# Altium PCB PCB2.PcbDoc (part 16 of 16)
Units mil, origin at the board's own origin, x right, y up, seen from the top; angles counter-clockwise.
Board outline 9200.79 x 4350.6 mil, 4 copper layers (Top Layer, Layer 1, Layer 2, Bottom Layer), stack 23.756 mil thick; 1249 components, 1355 nets, 4549 pads, 1316 vias.
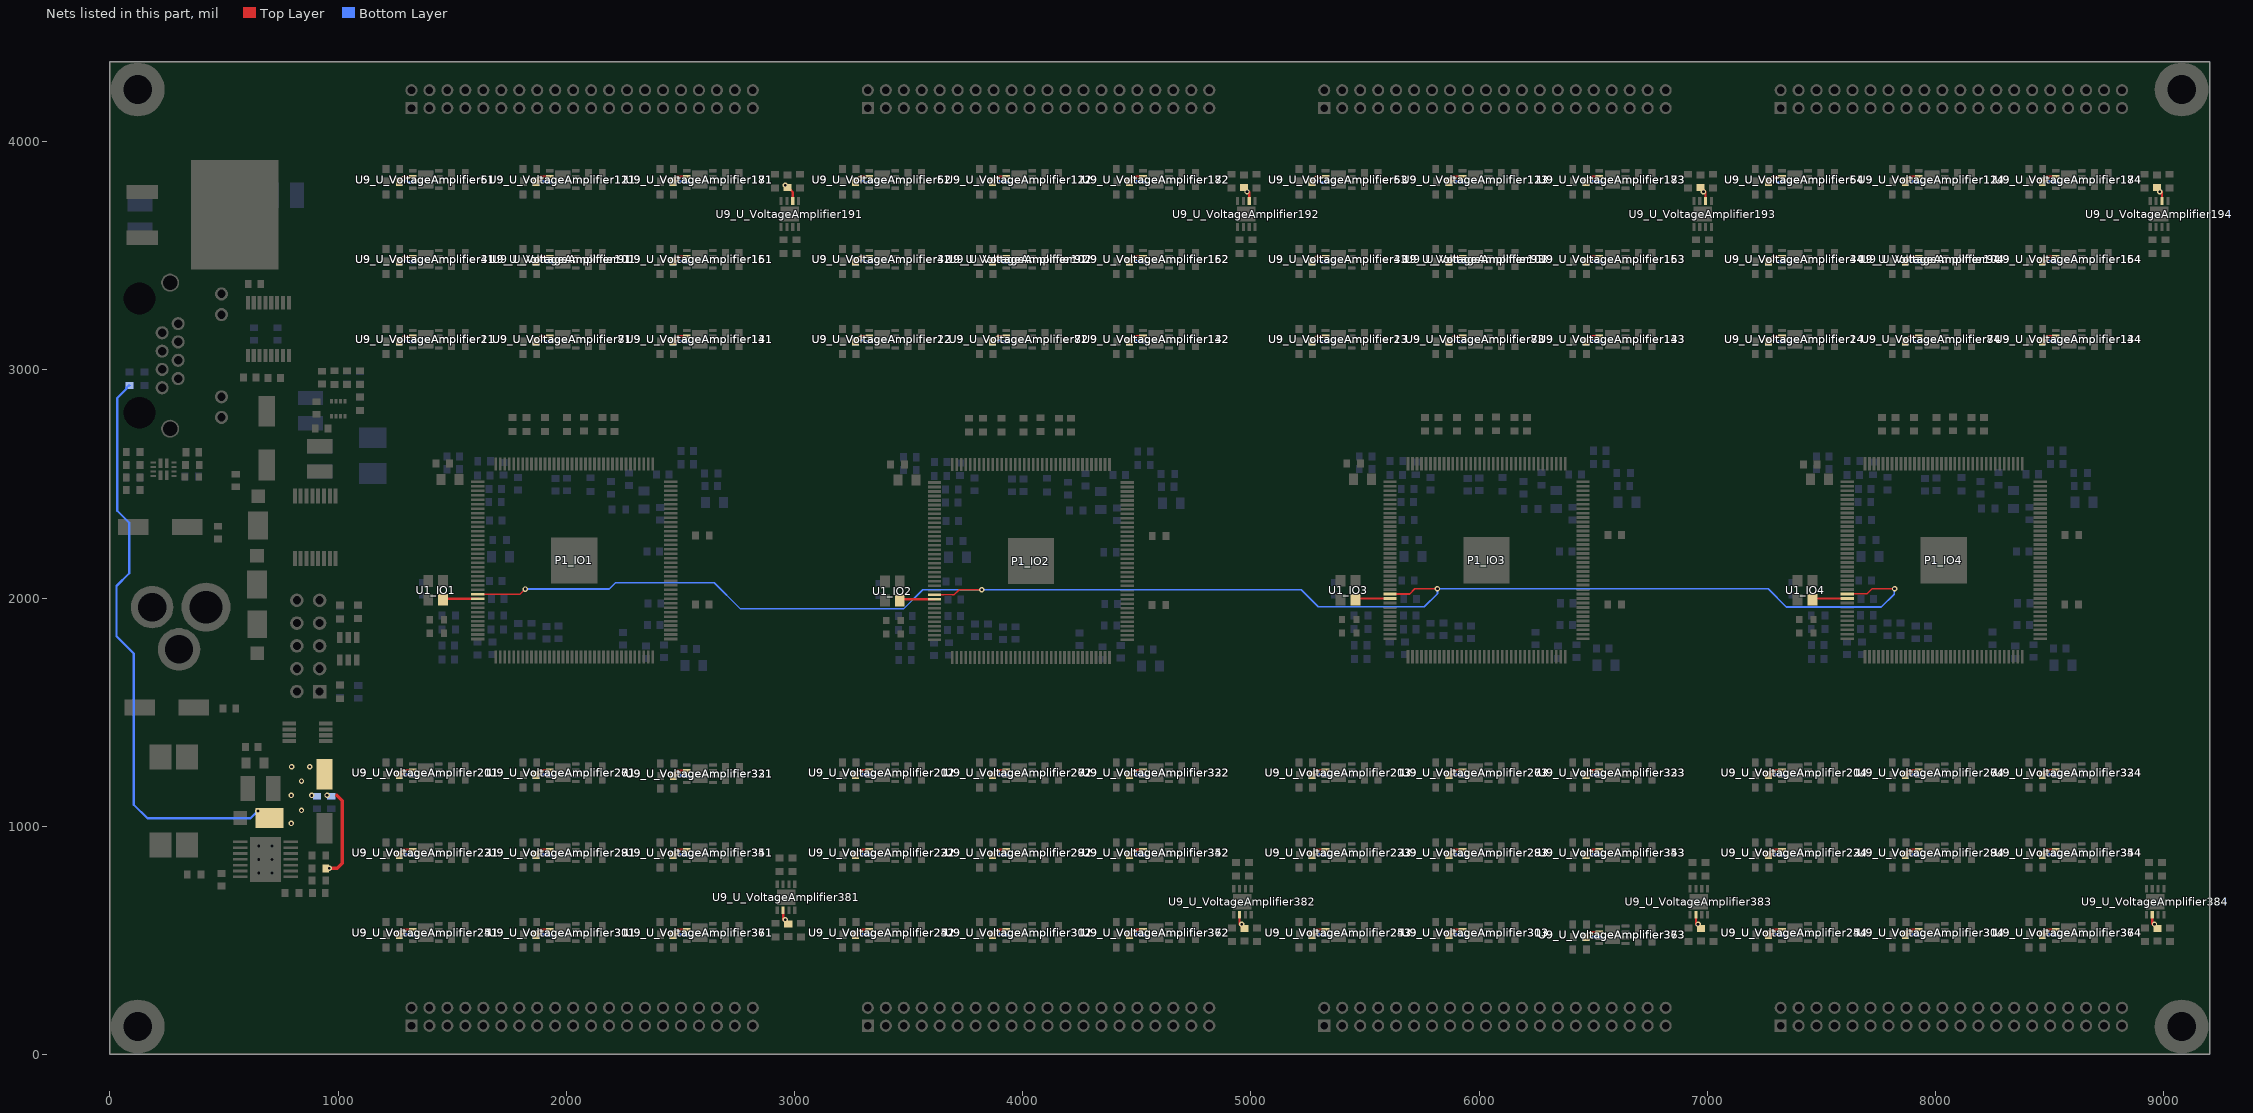
[diagram p18: the nets of this part, all layers, seen from the top]

## Via types
v1: diameter 24, hole 12, Top Layer to Bottom Layer, 1316 vias

## Nets (pads, with @x,y where several pads share a name; then routed paths per layer and width w, separated by ;. In a path a pad name is that pad's centre, name@x,y a point inside that pad or via, vN(x,y) a via of type N, cw(c..) or ccw(c..) an arc to the next point about the centre after c; other vN are vias at no path point) (continued)
VCC_OUT: (continued)
  Bottom Layer w10: R46.1@86.26,2930.89 83.76,2930.89 73.76,2920.89 73.76,2918.39 32.19,2876.82 32.19,2382.46 84.46,2330.19 84.46,2108.09 29.06,2052.69 29.06,1832.07 104.86,1756.27 104.86,1094.39 164.66,1034.59 616.06,1034.59 v1(648.56,1067.09) ; v1(1286.09,1237.18) 1289.88,1237.18 1303.99,1223.07 1325.2,1223.07 U9_U_VoltageAmplifier211.6@1327.09,1221.18 ; v1(1286.09,3137.18) 1289.88,3137.18 1303.99,3123.07 1325.2,3123.07 U9_U_VoltageAmplifier21.6@1327.09,3121.18 ; v1(1286.09,3487.18) 1289.88,3487.18 1303.99,3473.07 1325.2,3473.07 U9_U_VoltageAmplifier41.6@1327.09,3471.18 ; v1(1286.09,3837.18) 1289.88,3837.18 1303.99,3823.07 1325.2,3823.07 U9_U_VoltageAmplifier61.6@1327.09,3821.18 ; v1(1886.09,3137.18) 1889.88,3137.18 1903.99,3123.07 1925.2,3123.07 U9_U_VoltageAmplifier81.6@1927.09,3121.18 ; v1(1886.09,3487.18) 1889.88,3487.18 1903.99,3473.07 1925.2,3473.07 U9_U_VoltageAmplifier101.6@1927.09,3471.18 ; v1(1886.09,3837.18) 1889.88,3837.18 1903.99,3823.07 1925.2,3823.07 U9_U_VoltageAmplifier121.6@1927.09,3821.18 ; v1(2486.09,3137.18) 2489.88,3137.18 2503.99,3123.07 2525.2,3123.07 U9_U_VoltageAmplifier141.6@2527.09,3121.18 ; v1(2486.09,3487.18) 2489.88,3487.18 2503.99,3473.07 2525.2,3473.07 U9_U_VoltageAmplifier161.6@2527.09,3471.18 ; v1(2486.09,3837.18) 2489.88,3837.18 2503.99,3823.07 2525.2,3823.07 U9_U_VoltageAmplifier181.6@2527.09,3821.18 ; v1(2959.67,590.42) v1@2959.67,594.21 ; v1(8959.67,570.42) v1@8959.67,574.21 ; v1@8982.85,3776.98 v1(8982.85,3780.76) ; v1@1289.88,537.18 1303.99,523.07 ; v1@1289.88,537.18 v1(1286.09,537.18) v1@1289.88,537.18 ; v1@1289.88,537.18 1303.99,523.07 ; v1@1289.88,887.18 v1(1286.09,887.18) v1@1289.88,887.18 ; v1@1289.88,887.18 1303.99,873.07 ; v1@1289.88,887.18 1303.99,873.07 ; 1303.99,523.07 U9_U_VoltageAmplifier251.6@1325.2,523.07 ; 1303.99,523.07 U9_U_VoltageAmplifier251.6@1325.2,523.07 ; 1303.99,873.07 U9_U_VoltageAmplifier231.6@1325.2,873.07 ; 1303.99,873.07 U9_U_VoltageAmplifier231.6@1325.2,873.07 ; U9_U_VoltageAmplifier251.6@1325.2,523.07 U9_U_VoltageAmplifier251.6@1327.09,521.18 U9_U_VoltageAmplifier251.6@1325.2,523.07 ; U9_U_VoltageAmplifier231.6@1325.2,873.07 U9_U_VoltageAmplifier231.6@1327.09,871.18 U9_U_VoltageAmplifier231.6@1325.2,873.07 ; v1@1889.88,537.18 1903.99,523.07 ; v1@1889.88,537.18 v1(1886.09,537.18) v1@1889.88,537.18 ; v1@1889.88,537.18 1903.99,523.07 ; v1@1889.88,887.18 1903.99,873.07 ; v1@1889.88,887.18 v1(1886.09,887.18) v1@1889.88,887.18 ; v1@1889.88,887.18 1903.99,873.07 ; v1@1889.88,1237.18 1903.99,1223.07 ; v1@1889.88,1237.18 v1(1886.09,1237.18) v1@1889.88,1237.18 ; v1@1889.88,1237.18 1903.99,1223.07 ; 1903.99,523.07 U9_U_VoltageAmplifier311.6@1925.2,523.07 ; 1903.99,523.07 U9_U_VoltageAmplifier311.6@1925.2,523.07 ; 1903.99,873.07 U9_U_VoltageAmplifier291.6@1925.2,873.07 ; 1903.99,873.07 U9_U_VoltageAmplifier291.6@1925.2,873.07 ; 1903.99,1223.07 U9_U_VoltageAmplifier271.6@1925.2,1223.07 ; 1903.99,1223.07 U9_U_VoltageAmplifier271.6@1925.2,1223.07 ; U9_U_VoltageAmplifier311.6@1925.2,523.07 U9_U_VoltageAmplifier311.6@1927.09,521.18 U9_U_VoltageAmplifier311.6@1925.2,523.07 ; U9_U_VoltageAmplifier291.6@1925.2,873.07 U9_U_VoltageAmplifier291.6@1927.09,871.18 U9_U_VoltageAmplifier291.6@1925.2,873.07 ; U9_U_VoltageAmplifier271.6@1925.2,1223.07 U9_U_VoltageAmplifier271.6@1927.09,1221.18 U9_U_VoltageAmplifier271.6@1925.2,1223.07 ; v1@2489.88,537.18 2503.99,523.07 ; v1@2489.88,537.18 v1(2486.09,537.18) v1@2489.88,537.18 ; v1@2489.88,537.18 2503.99,523.07 ; v1@2489.88,887.18 2503.99,873.07 ; v1@2489.88,887.18 v1(2486.09,887.18) v1@2489.88,887.18 ; v1@2489.88,887.18 2503.99,873.07 ; v1@2491.05,1233.59 2505.16,1219.48 ; v1@2491.05,1233.59 v1(2487.26,1233.59) v1@2491.05,1233.59 ; v1@2491.05,1233.59 2505.16,1219.48 ; 2503.99,523.07 U9_U_VoltageAmplifier371.6@2525.2,523.07 ; 2503.99,523.07 U9_U_VoltageAmplifier371.6@2525.2,523.07 ; 2503.99,873.07 U9_U_VoltageAmplifier351.6@2525.2,873.07 ; 2503.99,873.07 U9_U_VoltageAmplifier351.6@2525.2,873.07 ; 2505.16,1219.48 U9_U_VoltageAmplifier331.6@2526.37,1219.48 ; 2505.16,1219.48 U9_U_VoltageAmplifier331.6@2526.37,1219.48 ; U9_U_VoltageAmplifier371.6@2525.2,523.07 U9_U_VoltageAmplifier371.6@2527.09,521.18 U9_U_VoltageAmplifier371.6@2525.2,523.07 ; U9_U_VoltageAmplifier351.6@2525.2,873.07 U9_U_VoltageAmplifier351.6@2527.09,871.18 U9_U_VoltageAmplifier351.6@2525.2,873.07 ; U9_U_VoltageAmplifier331.6@2526.37,1219.48 U9_U_VoltageAmplifier331.6@2528.26,1217.59 U9_U_VoltageAmplifier331.6@2526.37,1219.48 ; v1@3289.88,537.18 3303.99,523.07 ; v1@3289.88,537.18 v1(3286.09,537.18) v1@3289.88,537.18 ; v1@3289.88,537.18 3303.99,523.07 ; v1@3289.88,887.18 3303.99,873.07 ; v1@3289.88,887.18 v1(3286.09,887.18) v1@3289.88,887.18 ; v1@3289.88,887.18 3303.99,873.07 ; v1@3289.88,1237.18 3303.99,1223.07 ; v1@3289.88,1237.18 v1(3286.09,1237.18) v1@3289.88,1237.18 ; v1@3289.88,1237.18 3303.99,1223.07 ; v1@3289.88,3137.18 3303.99,3123.07 ; v1@3289.88,3137.18 v1(3286.09,3137.18) v1@3289.88,3137.18 ; v1@3289.88,3137.18 3303.99,3123.07 ; v1@3289.88,3487.18 3303.99,3473.07 ; v1@3289.88,3487.18 v1(3286.09,3487.18) v1@3289.88,3487.18 ; v1@3289.88,3487.18 3303.99,3473.07 ; v1@3289.88,3837.18 3303.99,3823.07 ; v1@3289.88,3837.18 v1(3286.09,3837.18) v1@3289.88,3837.18 ; v1@3289.88,3837.18 3303.99,3823.07 ; 3303.99,523.07 U9_U_VoltageAmplifier252.6@3325.2,523.07 ; 3303.99,523.07 U9_U_VoltageAmplifier252.6@3325.2,523.07 ; 3303.99,873.07 U9_U_VoltageAmplifier232.6@3325.2,873.07 ; 3303.99,873.07 U9_U_VoltageAmplifier232.6@3325.2,873.07 ; 3303.99,1223.07 U9_U_VoltageAmplifier212.6@3325.2,1223.07 ; 3303.99,1223.07 U9_U_VoltageAmplifier212.6@3325.2,1223.07 ; 3303.99,3123.07 U9_U_VoltageAmplifier22.6@3325.2,3123.07 ; 3303.99,3123.07 U9_U_VoltageAmplifier22.6@3325.2,3123.07 ; 3303.99,3473.07 U9_U_VoltageAmplifier42.6@3325.2,3473.07 ; 3303.99,3473.07 U9_U_VoltageAmplifier42.6@3325.2,3473.07 ; 3303.99,3823.07 U9_U_VoltageAmplifier62.6@3325.2,3823.07 ; 3303.99,3823.07 U9_U_VoltageAmplifier62.6@3325.2,3823.07 ; U9_U_VoltageAmplifier252.6@3325.2,523.07 U9_U_VoltageAmplifier252.6@3327.09,521.18 U9_U_VoltageAmplifier252.6@3325.2,523.07 ; U9_U_VoltageAmplifier232.6@3325.2,873.07 U9_U_VoltageAmplifier232.6@3327.09,871.18 U9_U_VoltageAmplifier232.6@3325.2,873.07 ; U9_U_VoltageAmplifier212.6@3325.2,1223.07 U9_U_VoltageAmplifier212.6@3327.09,1221.18 U9_U_VoltageAmplifier212.6@3325.2,1223.07 ; U9_U_VoltageAmplifier22.6@3325.2,3123.07 U9_U_VoltageAmplifier22.6@3327.09,3121.18 U9_U_VoltageAmplifier22.6@3325.2,3123.07 ; U9_U_VoltageAmplifier42.6@3325.2,3473.07 U9_U_VoltageAmplifier42.6@3327.09,3471.18 U9_U_VoltageAmplifier42.6@3325.2,3473.07 ; U9_U_VoltageAmplifier62.6@3325.2,3823.07 U9_U_VoltageAmplifier62.6@3327.09,3821.18 U9_U_VoltageAmplifier62.6@3325.2,3823.07 ; v1@3889.88,537.18 3903.99,523.07 ; v1@3889.88,537.18 v1(3886.09,537.18) v1@3889.88,537.18 ; v1@3889.88,537.18 3903.99,523.07 ; v1@3889.88,887.18 3903.99,873.07 ; v1@3889.88,887.18 v1(3886.09,887.18) v1@3889.88,887.18 ; v1@3889.88,887.18 3903.99,873.07 ; v1@3889.88,1237.18 3903.99,1223.07 ; v1@3889.88,1237.18 v1(3886.09,1237.18) v1@3889.88,1237.18 ; v1@3889.88,1237.18 3903.99,1223.07 ; v1@3889.88,3137.18 3903.99,3123.07 ; v1@3889.88,3137.18 v1(3886.09,3137.18) v1@3889.88,3137.18 ; v1@3889.88,3137.18 3903.99,3123.07 ; v1@3889.88,3487.18 3903.99,3473.07 ; v1@3889.88,3487.18 v1(3886.09,3487.18) v1@3889.88,3487.18 ; v1@3889.88,3487.18 3903.99,3473.07 ; v1@3889.88,3837.18 3903.99,3823.07 ; v1@3889.88,3837.18 v1(3886.09,3837.18) v1@3889.88,3837.18 ; v1@3889.88,3837.18 3903.99,3823.07 ; 3903.99,523.07 U9_U_VoltageAmplifier312.6@3925.2,523.07 ; 3903.99,523.07 U9_U_VoltageAmplifier312.6@3925.2,523.07 ; 3903.99,873.07 U9_U_VoltageAmplifier292.6@3925.2,873.07 ; 3903.99,873.07 U9_U_VoltageAmplifier292.6@3925.2,873.07 ; 3903.99,1223.07 U9_U_VoltageAmplifier272.6@3925.2,1223.07 ; 3903.99,1223.07 U9_U_VoltageAmplifier272.6@3925.2,1223.07 ; 3903.99,3123.07 U9_U_VoltageAmplifier82.6@3925.2,3123.07 ; 3903.99,3123.07 U9_U_VoltageAmplifier82.6@3925.2,3123.07 ; 3903.99,3473.07 U9_U_VoltageAmplifier102.6@3925.2,3473.07 ; 3903.99,3473.07 U9_U_VoltageAmplifier102.6@3925.2,3473.07 ; 3903.99,3823.07 U9_U_VoltageAmplifier122.6@3925.2,3823.07 ; 3903.99,3823.07 U9_U_VoltageAmplifier122.6@3925.2,3823.07 ; U9_U_VoltageAmplifier312.6@3925.2,523.07 U9_U_VoltageAmplifier312.6@3927.09,521.18 U9_U_VoltageAmplifier312.6@3925.2,523.07 ; U9_U_VoltageAmplifier292.6@3925.2,873.07 U9_U_VoltageAmplifier292.6@3927.09,871.18 U9_U_VoltageAmplifier292.6@3925.2,873.07 ; U9_U_VoltageAmplifier272.6@3925.2,1223.07 U9_U_VoltageAmplifier272.6@3927.09,1221.18 U9_U_VoltageAmplifier272.6@3925.2,1223.07 ; U9_U_VoltageAmplifier82.6@3925.2,3123.07 U9_U_VoltageAmplifier82.6@3927.09,3121.18 U9_U_VoltageAmplifier82.6@3925.2,3123.07 ; U9_U_VoltageAmplifier102.6@3925.2,3473.07 U9_U_VoltageAmplifier102.6@3927.09,3471.18 U9_U_VoltageAmplifier102.6@3925.2,3473.07 ; U9_U_VoltageAmplifier122.6@3925.2,3823.07 U9_U_VoltageAmplifier122.6@3927.09,3821.18 U9_U_VoltageAmplifier122.6@3925.2,3823.07 ; v1@4489.88,537.18 4503.99,523.07 ; v1@4489.88,537.18 v1(4486.09,537.18) v1@4489.88,537.18 ; v1@4489.88,537.18 4503.99,523.07 ; v1@4489.88,887.18 4503.99,873.07 ; v1@4489.88,887.18 v1(4486.09,887.18) v1@4489.88,887.18 ; v1@4489.88,887.18 4503.99,873.07 ; v1@4489.88,1237.18 4503.99,1223.07 ; v1@4489.88,1237.18 v1(4486.09,1237.18) v1@4489.88,1237.18 ; v1@4489.88,1237.18 4503.99,1223.07 ; v1@4489.88,3137.18 4503.99,3123.07 ; v1@4489.88,3137.18 v1(4486.09,3137.18) v1@4489.88,3137.18 ; v1@4489.88,3137.18 4503.99,3123.07 ; v1@4489.88,3487.18 4503.99,3473.07 ; v1@4489.88,3487.18 v1(4486.09,3487.18) v1@4489.88,3487.18 ; v1@4489.88,3487.18 4503.99,3473.07 ; v1@4489.88,3837.18 4503.99,3823.07 ; v1@4489.88,3837.18 v1(4486.09,3837.18) v1@4489.88,3837.18 ; v1@4489.88,3837.18 4503.99,3823.07 ; 4503.99,523.07 U9_U_VoltageAmplifier372.6@4525.2,523.07 ; 4503.99,523.07 U9_U_VoltageAmplifier372.6@4525.2,523.07 ; 4503.99,873.07 U9_U_VoltageAmplifier352.6@4525.2,873.07 ; 4503.99,873.07 U9_U_VoltageAmplifier352.6@4525.2,873.07 ; 4503.99,1223.07 U9_U_VoltageAmplifier332.6@4525.2,1223.07 ; 4503.99,1223.07 U9_U_VoltageAmplifier332.6@4525.2,1223.07 ; 4503.99,3123.07 U9_U_VoltageAmplifier142.6@4525.2,3123.07 ; 4503.99,3123.07 U9_U_VoltageAmplifier142.6@4525.2,3123.07 ; 4503.99,3473.07 U9_U_VoltageAmplifier162.6@4525.2,3473.07 ; 4503.99,3473.07 U9_U_VoltageAmplifier162.6@4525.2,3473.07 ; 4503.99,3823.07 U9_U_VoltageAmplifier182.6@4525.2,3823.07 ; 4503.99,3823.07 U9_U_VoltageAmplifier182.6@4525.2,3823.07 ; U9_U_VoltageAmplifier372.6@4525.2,523.07 U9_U_VoltageAmplifier372.6@4527.09,521.18 U9_U_VoltageAmplifier372.6@4525.2,523.07 ; U9_U_VoltageAmplifier352.6@4525.2,873.07 U9_U_VoltageAmplifier352.6@4527.09,871.18 U9_U_VoltageAmplifier352.6@4525.2,873.07 ; U9_U_VoltageAmplifier332.6@4525.2,1223.07 U9_U_VoltageAmplifier332.6@4527.09,1221.18 U9_U_VoltageAmplifier332.6@4525.2,1223.07 ; U9_U_VoltageAmplifier142.6@4525.2,3123.07 U9_U_VoltageAmplifier142.6@4527.09,3121.18 U9_U_VoltageAmplifier142.6@4525.2,3123.07 ; U9_U_VoltageAmplifier162.6@4525.2,3473.07 U9_U_VoltageAmplifier162.6@4527.09,3471.18 U9_U_VoltageAmplifier162.6@4525.2,3473.07 ; U9_U_VoltageAmplifier182.6@4525.2,3823.07 U9_U_VoltageAmplifier182.6@4527.09,3821.18 U9_U_VoltageAmplifier182.6@4525.2,3823.07 ; v1@5289.88,537.18 5303.99,523.07 ; v1@5289.88,537.18 v1(5286.09,537.18) v1@5289.88,537.18 ; v1@5289.88,537.18 5303.99,523.07 ; v1@5289.88,887.18 5303.99,873.07 ; v1@5289.88,887.18 v1(5286.09,887.18) v1@5289.88,887.18 ; v1@5289.88,887.18 5303.99,873.07 ; v1@5289.88,1237.18 5303.99,1223.07 ; v1@5289.88,1237.18 v1(5286.09,1237.18) v1@5289.88,1237.18 ; v1@5289.88,1237.18 5303.99,1223.07 ; v1@5289.88,3137.18 5303.99,3123.07 ; v1@5289.88,3137.18 v1(5286.09,3137.18) v1@5289.88,3137.18 ; v1@5289.88,3137.18 5303.99,3123.07 ; v1@5289.88,3487.18 5303.99,3473.07 ; v1@5289.88,3487.18 v1(5286.09,3487.18) v1@5289.88,3487.18 ; v1@5289.88,3487.18 5303.99,3473.07 ; v1@5289.88,3837.18 5303.99,3823.07 ; v1@5289.88,3837.18 v1(5286.09,3837.18) v1@5289.88,3837.18 ; v1@5289.88,3837.18 5303.99,3823.07 ; 5303.99,523.07 U9_U_VoltageAmplifier253.6@5325.2,523.07 ; 5303.99,523.07 U9_U_VoltageAmplifier253.6@5325.2,523.07 ; 5303.99,873.07 U9_U_VoltageAmplifier233.6@5325.2,873.07 ; 5303.99,873.07 U9_U_VoltageAmplifier233.6@5325.2,873.07 ; 5303.99,1223.07 U9_U_VoltageAmplifier213.6@5325.2,1223.07 ; 5303.99,1223.07 U9_U_VoltageAmplifier213.6@5325.2,1223.07 ; 5303.99,3123.07 U9_U_VoltageAmplifier23.6@5325.2,3123.07 ; 5303.99,3123.07 U9_U_VoltageAmplifier23.6@5325.2,3123.07 ; 5303.99,3473.07 U9_U_VoltageAmplifier43.6@5325.2,3473.07 ; 5303.99,3473.07 U9_U_VoltageAmplifier43.6@5325.2,3473.07 ; 5303.99,3823.07 U9_U_VoltageAmplifier63.6@5325.2,3823.07 ; 5303.99,3823.07 U9_U_VoltageAmplifier63.6@5325.2,3823.07 ; U9_U_VoltageAmplifier253.6@5325.2,523.07 U9_U_VoltageAmplifier253.6@5327.09,521.18 U9_U_VoltageAmplifier253.6@5325.2,523.07 ; U9_U_VoltageAmplifier233.6@5325.2,873.07 U9_U_VoltageAmplifier233.6@5327.09,871.18 U9_U_VoltageAmplifier233.6@5325.2,873.07 ; U9_U_VoltageAmplifier213.6@5325.2,1223.07 U9_U_VoltageAmplifier213.6@5327.09,1221.18 U9_U_VoltageAmplifier213.6@5325.2,1223.07 ; U9_U_VoltageAmplifier23.6@5325.2,3123.07 U9_U_VoltageAmplifier23.6@5327.09,3121.18 U9_U_VoltageAmplifier23.6@5325.2,3123.07 ; U9_U_VoltageAmplifier43.6@5325.2,3473.07 U9_U_VoltageAmplifier43.6@5327.09,3471.18 U9_U_VoltageAmplifier43.6@5325.2,3473.07 ; U9_U_VoltageAmplifier63.6@5325.2,3823.07 U9_U_VoltageAmplifier63.6@5327.09,3821.18 U9_U_VoltageAmplifier63.6@5325.2,3823.07 ; v1@5889.88,537.18 5903.99,523.07 ; v1@5889.88,537.18 v1(5886.09,537.18) v1@5889.88,537.18 ; v1@5889.88,537.18 5903.99,523.07 ; v1@5889.88,887.18 5903.99,873.07 ; v1@5889.88,887.18 v1(5886.09,887.18) v1@5889.88,887.18 ; v1@5889.88,887.18 5903.99,873.07 ; v1@5889.88,1237.18 5903.99,1223.07 ; v1@5889.88,1237.18 v1(5886.09,1237.18) v1@5889.88,1237.18 ; v1@5889.88,1237.18 5903.99,1223.07 ; v1@5889.88,3137.18 5903.99,3123.07 ; v1@5889.88,3137.18 v1(5886.09,3137.18) v1@5889.88,3137.18 ; v1@5889.88,3137.18 5903.99,3123.07 ; v1@5889.88,3487.18 5903.99,3473.07 ; v1@5889.88,3487.18 v1(5886.09,3487.18) v1@5889.88,3487.18 ; v1@5889.88,3487.18 5903.99,3473.07 ; v1@5889.88,3837.18 5903.99,3823.07 ; v1@5889.88,3837.18 v1(5886.09,3837.18) v1@5889.88,3837.18 ; v1@5889.88,3837.18 5903.99,3823.07 ; 5903.99,523.07 U9_U_VoltageAmplifier313.6@5925.2,523.07 ; 5903.99,523.07 U9_U_VoltageAmplifier313.6@5925.2,523.07 ; 5903.99,873.07 U9_U_VoltageAmplifier293.6@5925.2,873.07 ; 5903.99,873.07 U9_U_VoltageAmplifier293.6@5925.2,873.07 ; 5903.99,1223.07 U9_U_VoltageAmplifier273.6@5925.2,1223.07 ; 5903.99,1223.07 U9_U_VoltageAmplifier273.6@5925.2,1223.07 ; 5903.99,3123.07 U9_U_VoltageAmplifier83.6@5925.2,3123.07 ; 5903.99,3123.07 U9_U_VoltageAmplifier83.6@5925.2,3123.07 ; 5903.99,3473.07 U9_U_VoltageAmplifier103.6@5925.2,3473.07 ; 5903.99,3473.07 U9_U_VoltageAmplifier103.6@5925.2,3473.07 ; 5903.99,3823.07 U9_U_VoltageAmplifier123.6@5925.2,3823.07 ; 5903.99,3823.07 U9_U_VoltageAmplifier123.6@5925.2,3823.07 ; U9_U_VoltageAmplifier313.6@5925.2,523.07 U9_U_VoltageAmplifier313.6@5927.09,521.18 U9_U_VoltageAmplifier313.6@5925.2,523.07 ; U9_U_VoltageAmplifier293.6@5925.2,873.07 U9_U_VoltageAmplifier293.6@5927.09,871.18 U9_U_VoltageAmplifier293.6@5925.2,873.07 ; U9_U_VoltageAmplifier273.6@5925.2,1223.07 U9_U_VoltageAmplifier273.6@5927.09,1221.18 U9_U_VoltageAmplifier273.6@5925.2,1223.07 ; U9_U_VoltageAmplifier83.6@5925.2,3123.07 U9_U_VoltageAmplifier83.6@5927.09,3121.18 U9_U_VoltageAmplifier83.6@5925.2,3123.07 ; U9_U_VoltageAmplifier103.6@5925.2,3473.07 U9_U_VoltageAmplifier103.6@5927.09,3471.18 U9_U_VoltageAmplifier103.6@5925.2,3473.07 ; U9_U_VoltageAmplifier123.6@5925.2,3823.07 U9_U_VoltageAmplifier123.6@5927.09,3821.18 U9_U_VoltageAmplifier123.6@5925.2,3823.07 ; v1@6489.88,527.18 6503.99,513.07 ; v1@6489.88,527.18 v1(6486.09,527.18) v1@6489.88,527.18 ; v1@6489.88,527.18 6503.99,513.07 ; v1@6489.88,887.18 6503.99,873.07 ; v1@6489.88,887.18 v1(6486.09,887.18) v1@6489.88,887.18 ; v1@6489.88,887.18 6503.99,873.07 ; v1@6489.88,1237.18 6503.99,1223.07 ; v1@6489.88,1237.18 v1(6486.09,1237.18) v1@6489.88,1237.18 ; v1@6489.88,1237.18 6503.99,1223.07 ; v1@6489.88,3137.18 6503.99,3123.07 ; v1@6489.88,3137.18 v1(6486.09,3137.18) v1@6489.88,3137.18 ; v1@6489.88,3137.18 6503.99,3123.07 ; v1@6489.88,3487.18 6503.99,3473.07 ; v1@6489.88,3487.18 v1(6486.09,3487.18) v1@6489.88,3487.18 ; v1@6489.88,3487.18 6503.99,3473.07 ; v1@6489.88,3837.18 6503.99,3823.07 ; v1@6489.88,3837.18 v1(6486.09,3837.18) v1@6489.88,3837.18 ; v1@6489.88,3837.18 6503.99,3823.07 ; 6503.99,513.07 U9_U_VoltageAmplifier373.6@6525.2,513.07 ; 6503.99,513.07 U9_U_VoltageAmplifier373.6@6525.2,513.07 ; 6503.99,873.07 U9_U_VoltageAmplifier353.6@6525.2,873.07 ; 6503.99,873.07 U9_U_VoltageAmplifier353.6@6525.2,873.07 ; 6503.99,1223.07 U9_U_VoltageAmplifier333.6@6525.2,1223.07 ; 6503.99,1223.07 U9_U_VoltageAmplifier333.6@6525.2,1223.07 ; 6503.99,3123.07 U9_U_VoltageAmplifier143.6@6525.2,3123.07 ; 6503.99,3123.07 U9_U_VoltageAmplifier143.6@6525.2,3123.07 ; 6503.99,3473.07 U9_U_VoltageAmplifier163.6@6525.2,3473.07 ; 6503.99,3473.07 U9_U_VoltageAmplifier163.6@6525.2,3473.07 ; 6503.99,3823.07 U9_U_VoltageAmplifier183.6@6525.2,3823.07 ; 6503.99,3823.07 U9_U_VoltageAmplifier183.6@6525.2,3823.07 ; U9_U_VoltageAmplifier373.6@6525.2,513.07 U9_U_VoltageAmplifier373.6@6527.09,511.18 U9_U_VoltageAmplifier373.6@6525.2,513.07 ; U9_U_VoltageAmplifier353.6@6525.2,873.07 U9_U_VoltageAmplifier353.6@6527.09,871.18 U9_U_VoltageAmplifier353.6@6525.2,873.07 ; U9_U_VoltageAmplifier333.6@6525.2,1223.07 U9_U_VoltageAmplifier333.6@6527.09,1221.18 U9_U_VoltageAmplifier333.6@6525.2,1223.07 ; U9_U_VoltageAmplifier143.6@6525.2,3123.07 U9_U_VoltageAmplifier143.6@6527.09,3121.18 U9_U_VoltageAmplifier143.6@6525.2,3123.07 ; U9_U_VoltageAmplifier163.6@6525.2,3473.07 U9_U_VoltageAmplifier163.6@6527.09,3471.18 U9_U_VoltageAmplifier163.6@6525.2,3473.07 ; U9_U_VoltageAmplifier183.6@6525.2,3823.07 U9_U_VoltageAmplifier183.6@6527.09,3821.18 U9_U_VoltageAmplifier183.6@6525.2,3823.07 ; v1@7289.88,537.18 7303.99,523.07 ; v1@7289.88,537.18 v1(7286.09,537.18) v1@7289.88,537.18 ; v1@7289.88,537.18 7303.99,523.07 ; v1@7289.88,887.18 7303.99,873.07 ; v1@7289.88,887.18 v1(7286.09,887.18) v1@7289.88,887.18 ; v1@7289.88,887.18 7303.99,873.07 ; v1@7289.88,1237.18 v1(7286.09,1237.18) v1@7289.88,1237.18 ; v1@7289.88,1237.18 7303.99,1223.07 ; v1@7289.88,1237.18 7303.99,1223.07 ; v1@7289.88,3137.18 7303.99,3123.07 ; v1@7289.88,3137.18 v1(7286.09,3137.18) v1@7289.88,3137.18 ; v1@7289.88,3137.18 7303.99,3123.07 ; v1@7289.88,3487.18 7303.99,3473.07 ; v1@7289.88,3487.18 v1(7286.09,3487.18) v1@7289.88,3487.18 ; v1@7289.88,3487.18 7303.99,3473.07 ; v1@7289.88,3837.18 7303.99,3823.07 ; v1@7289.88,3837.18 v1(7286.09,3837.18) v1@7289.88,3837.18 ; v1@7289.88,3837.18 7303.99,3823.07 ; 7303.99,523.07 U9_U_VoltageAmplifier254.6@7325.2,523.07 ; 7303.99,523.07 U9_U_VoltageAmplifier254.6@7325.2,523.07 ; 7303.99,873.07 U9_U_VoltageAmplifier234.6@7325.2,873.07 ; 7303.99,873.07 U9_U_VoltageAmplifier234.6@7325.2,873.07 ; 7303.99,1223.07 U9_U_VoltageAmplifier214.6@7325.2,1223.07 ; 7303.99,1223.07 U9_U_VoltageAmplifier214.6@7325.2,1223.07 ; 7303.99,3123.07 U9_U_VoltageAmplifier24.6@7325.2,3123.07 ; 7303.99,3123.07 U9_U_VoltageAmplifier24.6@7325.2,3123.07 ; 7303.99,3473.07 U9_U_VoltageAmplifier44.6@7325.2,3473.07 ; 7303.99,3473.07 U9_U_VoltageAmplifier44.6@7325.2,3473.07 ; 7303.99,3823.07 U9_U_VoltageAmplifier64.6@7325.2,3823.07 ; 7303.99,3823.07 U9_U_VoltageAmplifier64.6@7325.2,3823.07 ; U9_U_VoltageAmplifier254.6@7325.2,523.07 U9_U_VoltageAmplifier254.6@7327.09,521.18 U9_U_VoltageAmplifier254.6@7325.2,523.07 ; U9_U_VoltageAmplifier234.6@7325.2,873.07 U9_U_VoltageAmplifier234.6@7327.09,871.18 U9_U_VoltageAmplifier234.6@7325.2,873.07 ; U9_U_VoltageAmplifier214.6@7325.2,1223.07 U9_U_VoltageAmplifier214.6@7327.09,1221.18 U9_U_VoltageAmplifier214.6@7325.2,1223.07 ; U9_U_VoltageAmplifier24.6@7325.2,3123.07 U9_U_VoltageAmplifier24.6@7327.09,3121.18 U9_U_VoltageAmplifier24.6@7325.2,3123.07 ; U9_U_VoltageAmplifier44.6@7325.2,3473.07 U9_U_VoltageAmplifier44.6@7327.09,3471.18 U9_U_VoltageAmplifier44.6@7325.2,3473.07 ; U9_U_VoltageAmplifier64.6@7325.2,3823.07 U9_U_VoltageAmplifier64.6@7327.09,3821.18 U9_U_VoltageAmplifier64.6@7325.2,3823.07 ; v1@7889.88,537.18 7903.99,523.07 ; v1@7889.88,537.18 v1(7886.09,537.18) v1@7889.88,537.18 ; v1@7889.88,537.18 7903.99,523.07 ; v1@7889.88,887.18 7903.99,873.07 ; v1@7889.88,887.18 v1(7886.09,887.18) v1@7889.88,887.18 ; v1@7889.88,887.18 7903.99,873.07 ; v1@7889.88,1237.18 7903.99,1223.07 ; v1@7889.88,1237.18 v1(7886.09,1237.18) v1@7889.88,1237.18 ; v1@7889.88,1237.18 7903.99,1223.07 ; v1@7889.88,3137.18 7903.99,3123.07 ; v1@7889.88,3137.18 v1(7886.09,3137.18) v1@7889.88,3137.18 ; v1@7889.88,3137.18 7903.99,3123.07 ; v1@7889.88,3487.18 7903.99,3473.07 ; v1@7889.88,3487.18 v1(7886.09,3487.18) v1@7889.88,3487.18 ; v1@7889.88,3487.18 7903.99,3473.07 ; v1@7889.88,3837.18 7903.99,3823.07 ; v1@7889.88,3837.18 v1(7886.09,3837.18) v1@7889.88,3837.18 ; v1@7889.88,3837.18 7903.99,3823.07 ; 7903.99,523.07 U9_U_VoltageAmplifier314.6@7925.2,523.07 ; 7903.99,523.07 U9_U_VoltageAmplifier314.6@7925.2,523.07 ; 7903.99,873.07 U9_U_VoltageAmplifier294.6@7925.2,873.07 ; 7903.99,873.07 U9_U_VoltageAmplifier294.6@7925.2,873.07 ; 7903.99,1223.07 U9_U_VoltageAmplifier274.6@7925.2,1223.07 ; 7903.99,1223.07 U9_U_VoltageAmplifier274.6@7925.2,1223.07 ; 7903.99,3123.07 U9_U_VoltageAmplifier84.6@7925.2,3123.07 ; 7903.99,3123.07 U9_U_VoltageAmplifier84.6@7925.2,3123.07 ; 7903.99,3473.07 U9_U_VoltageAmplifier104.6@7925.2,3473.07 ; 7903.99,3473.07 U9_U_VoltageAmplifier104.6@7925.2,3473.07 ; 7903.99,3823.07 U9_U_VoltageAmplifier124.6@7925.2,3823.07 ; 7903.99,3823.07 U9_U_VoltageAmplifier124.6@7925.2,3823.07 ; U9_U_VoltageAmplifier314.6@7925.2,523.07 U9_U_VoltageAmplifier314.6@7927.09,521.18 U9_U_VoltageAmplifier314.6@7925.2,523.07 ; U9_U_VoltageAmplifier294.6@7925.2,873.07 U9_U_VoltageAmplifier294.6@7927.09,871.18 U9_U_VoltageAmplifier294.6@7925.2,873.07 ; U9_U_VoltageAmplifier274.6@7925.2,1223.07 U9_U_VoltageAmplifier274.6@7927.09,1221.18 U9_U_VoltageAmplifier274.6@7925.2,1223.07 ; U9_U_VoltageAmplifier84.6@7925.2,3123.07 U9_U_VoltageAmplifier84.6@7927.09,3121.18 U9_U_VoltageAmplifier84.6@7925.2,3123.07 ; U9_U_VoltageAmplifier104.6@7925.2,3473.07 U9_U_VoltageAmplifier104.6@7927.09,3471.18 U9_U_VoltageAmplifier104.6@7925.2,3473.07 ; U9_U_VoltageAmplifier124.6@7925.2,3823.07 U9_U_VoltageAmplifier124.6@7927.09,3821.18 U9_U_VoltageAmplifier124.6@7925.2,3823.07 ; v1@8489.88,537.18 8503.99,523.07 ; v1@8489.88,537.18 v1(8486.09,537.18) v1@8489.88,537.18 ; v1@8489.88,537.18 8503.99,523.07 ; v1@8489.88,887.18 8503.99,873.07 ; v1@8489.88,887.18 v1(8486.09,887.18) v1@8489.88,887.18 ; v1@8489.88,887.18 8503.99,873.07 ; v1@8489.88,1237.18 8503.99,1223.07 ; v1@8489.88,1237.18 v1(8486.09,1237.18) v1@8489.88,1237.18 ; v1@8489.88,1237.18 8503.99,1223.07 ; v1@8489.88,3137.18 8503.99,3123.07 ; v1@8489.88,3137.18 v1(8486.09,3137.18) v1@8489.88,3137.18 ; v1@8489.88,3137.18 8503.99,3123.07 ; v1@8489.88,3487.18 8503.99,3473.07 ; v1@8489.88,3487.18 v1(8486.09,3487.18) v1@8489.88,3487.18 ; v1@8489.88,3487.18 8503.99,3473.07 ; v1@8489.88,3837.18 8503.99,3823.07 ; v1@8489.88,3837.18 v1(8486.09,3837.18) v1@8489.88,3837.18 ; v1@8489.88,3837.18 8503.99,3823.07 ; 8503.99,523.07 U9_U_VoltageAmplifier374.6@8525.2,523.07 ; 8503.99,523.07 U9_U_VoltageAmplifier374.6@8525.2,523.07 ; 8503.99,873.07 U9_U_VoltageAmplifier354.6@8525.2,873.07 ; 8503.99,873.07 U9_U_VoltageAmplifier354.6@8525.2,873.07 ; 8503.99,1223.07 U9_U_VoltageAmplifier334.6@8525.2,1223.07 ; 8503.99,1223.07 U9_U_VoltageAmplifier334.6@8525.2,1223.07 ; 8503.99,3123.07 U9_U_VoltageAmplifier144.6@8525.2,3123.07 ; 8503.99,3123.07 U9_U_VoltageAmplifier144.6@8525.2,3123.07 ; 8503.99,3473.07 U9_U_VoltageAmplifier164.6@8525.2,3473.07 ; 8503.99,3473.07 U9_U_VoltageAmplifier164.6@8525.2,3473.07 ; 8503.99,3823.07 U9_U_VoltageAmplifier184.6@8525.2,3823.07 ; 8503.99,3823.07 U9_U_VoltageAmplifier184.6@8525.2,3823.07 ; U9_U_VoltageAmplifier374.6@8525.2,523.07 U9_U_VoltageAmplifier374.6@8527.09,521.18 U9_U_VoltageAmplifier374.6@8525.2,523.07 ; U9_U_VoltageAmplifier354.6@8525.2,873.07 U9_U_VoltageAmplifier354.6@8527.09,871.18 U9_U_VoltageAmplifier354.6@8525.2,873.07 ; U9_U_VoltageAmplifier334.6@8525.2,1223.07 U9_U_VoltageAmplifier334.6@8527.09,1221.18 U9_U_VoltageAmplifier334.6@8525.2,1223.07 ; U9_U_VoltageAmplifier144.6@8525.2,3123.07 U9_U_VoltageAmplifier144.6@8527.09,3121.18 U9_U_VoltageAmplifier144.6@8525.2,3123.07 ; U9_U_VoltageAmplifier164.6@8525.2,3473.07 U9_U_VoltageAmplifier164.6@8527.09,3471.18 U9_U_VoltageAmplifier164.6@8525.2,3473.07 ; U9_U_VoltageAmplifier184.6@8525.2,3823.07 U9_U_VoltageAmplifier184.6@8527.09,3821.18 U9_U_VoltageAmplifier184.6@8525.2,3823.07
  other v1: 4959.67,570.42 6959.67,570.42 961.26,815.59 794.21,1011.99 839.48,1068.99 794.21,1134.99 884.76,1134.99 951.39,1135.47 839.48,1197.99 795.76,1260.99 875.76,1260.99 4982.85,3780.76 6982.85,3780.76 2958.93,3808.67
X_25M_IO1: P1_IO1.27 U1_IO1.3 | length 289.7
  Top Layer w10: U1_IO1.3@1466.42,1999.61 U1_IO1.3@1468.82,1997.21 ; U1_IO1.3@1468.82,1997.21 P1_IO1.27@1611.97,1997.21 U1_IO1.3@1468.82,1997.21
X_25M_IO2: P1_IO2.27 U1_IO2.3 | length 289.7
  Top Layer w10: U1_IO2.3@3467.52,1997.01 U1_IO2.3@3469.92,1994.61 ; U1_IO2.3@3469.92,1994.61 P1_IO2.27@3613.07,1994.61 U1_IO2.3@3469.92,1994.61
X_25M_IO3: P1_IO3.27 U1_IO3.3 | length 289.7
  Top Layer w10: U1_IO3.3@5464.42,2000.46 U1_IO3.3@5466.82,1998.06 ; U1_IO3.3@5466.82,1998.06 P1_IO3.27@5609.97,1998.06 U1_IO3.3@5466.82,1998.06
X_25M_IO4: P1_IO4.27 U1_IO4.3 | length 289.7
  Top Layer w10: U1_IO4.3@7467.42,2000.61 U1_IO4.3@7469.82,1998.21 ; U1_IO4.3@7469.82,1998.21 P1_IO4.27@7612.97,1998.21 U1_IO4.3@7469.82,1998.21
XSIG: P1_IO1.26 P1_IO2.26 P1_IO3.26 P1_IO4.26 | length 7115.2
  Top Layer w7: P1_IO1.26@1611.97,2016.9 1797.07,2016.9 v1(1819.46,2039.29) ; P1_IO2.26@3613.07,2014.3 3699.17,2014.3 3721.56,2036.69 v1(3820.56,2036.69) ; P1_IO3.26@5609.97,2017.75 5696.07,2017.75 5718.46,2040.14 v1(5817.46,2040.14) ; P1_IO4.26@7612.97,2017.9 7699.07,2017.9 7721.46,2040.29 v1(7820.46,2040.29)
  Bottom Layer w7: v1(1819.46,2039.29) 2188.22,2039.29 2215.37,2066.44 2648.61,2066.44 2761.26,1953.79 3479.46,1953.79 3562.36,2036.69 v1(3820.56,2036.69) 5220.16,2036.69 5295.22,1961.63 5759.98,1961.63 5817.46,2019.12 v1(5817.46,2040.14) 7266.71,2040.14 7346.4,1960.45 7762.57,1960.45 7818.65,2016.52 7818.65,2038.48 v1(7820.46,2040.29)
pads on no net: J1.9 J1.10 J1.11 J1.12 J1.MH3 J1.MH4 J2.3 L6.3 L6.4 P1_IO1.145 P1_IO2.145 P1_IO3.145 P1_IO4.145 P3.6 P3.7 P3.8 U2.11 U2.12 U2.13 U2.14 U9_U_VoltageAmplifier11.1 U9_U_VoltageAmplifier11.8 U9_U_VoltageAmplifier12.1 U9_U_VoltageAmplifier12.8 U9_U_VoltageAmplifier13.1 U9_U_VoltageAmplifier13.8 U9_U_VoltageAmplifier14.1 U9_U_VoltageAmplifier14.8 U9_U_VoltageAmplifier21.1 U9_U_VoltageAmplifier21.8 U9_U_VoltageAmplifier22.1 U9_U_VoltageAmplifier22.8 U9_U_VoltageAmplifier23.1 U9_U_VoltageAmplifier23.8 U9_U_VoltageAmplifier24.1 U9_U_VoltageAmplifier24.8 U9_U_VoltageAmplifier31.1 U9_U_VoltageAmplifier31.8 U9_U_VoltageAmplifier32.1 U9_U_VoltageAmplifier32.8 U9_U_VoltageAmplifier33.1 U9_U_VoltageAmplifier33.8 U9_U_VoltageAmplifier34.1 U9_U_VoltageAmplifier34.8 U9_U_VoltageAmplifier41.1 U9_U_VoltageAmplifier41.8 U9_U_VoltageAmplifier42.1 U9_U_VoltageAmplifier42.8 U9_U_VoltageAmplifier43.1 U9_U_VoltageAmplifier43.8 U9_U_VoltageAmplifier44.1 U9_U_VoltageAmplifier44.8 U9_U_VoltageAmplifier51.1 U9_U_VoltageAmplifier51.8 U9_U_VoltageAmplifier52.1 U9_U_VoltageAmplifier52.8 U9_U_VoltageAmplifier53.1 U9_U_VoltageAmplifier53.8 U9_U_VoltageAmplifier54.1 U9_U_VoltageAmplifier54.8 U9_U_VoltageAmplifier61.1 U9_U_VoltageAmplifier61.8 U9_U_VoltageAmplifier62.1 U9_U_VoltageAmplifier62.8 U9_U_VoltageAmplifier63.1 U9_U_VoltageAmplifier63.8 U9_U_VoltageAmplifier64.1 U9_U_VoltageAmplifier64.8 U9_U_VoltageAmplifier71.1 U9_U_VoltageAmplifier71.8 U9_U_VoltageAmplifier72.1 U9_U_VoltageAmplifier72.8 U9_U_VoltageAmplifier73.1 U9_U_VoltageAmplifier73.8 U9_U_VoltageAmplifier74.1 U9_U_VoltageAmplifier74.8 U9_U_VoltageAmplifier81.1 U9_U_VoltageAmplifier81.8 U9_U_VoltageAmplifier82.1 U9_U_VoltageAmplifier82.8 U9_U_VoltageAmplifier83.1 U9_U_VoltageAmplifier83.8 U9_U_VoltageAmplifier84.1 U9_U_VoltageAmplifier84.8 U9_U_VoltageAmplifier91.1 U9_U_VoltageAmplifier91.8 U9_U_VoltageAmplifier92.1 U9_U_VoltageAmplifier92.8 U9_U_VoltageAmplifier93.1 U9_U_VoltageAmplifier93.8 U9_U_VoltageAmplifier94.1 U9_U_VoltageAmplifier94.8 U9_U_VoltageAmplifier101.1 U9_U_VoltageAmplifier101.8 U9_U_VoltageAmplifier102.1 U9_U_VoltageAmplifier102.8 U9_U_VoltageAmplifier103.1 U9_U_VoltageAmplifier103.8 U9_U_VoltageAmplifier104.1 U9_U_VoltageAmplifier104.8 U9_U_VoltageAmplifier111.1 U9_U_VoltageAmplifier111.8 U9_U_VoltageAmplifier112.1 U9_U_VoltageAmplifier112.8 U9_U_VoltageAmplifier113.1 U9_U_VoltageAmplifier113.8 U9_U_VoltageAmplifier114.1 U9_U_VoltageAmplifier114.8 U9_U_VoltageAmplifier121.1 U9_U_VoltageAmplifier121.8 U9_U_VoltageAmplifier122.1 U9_U_VoltageAmplifier122.8 U9_U_VoltageAmplifier123.1 U9_U_VoltageAmplifier123.8 U9_U_VoltageAmplifier124.1 U9_U_VoltageAmplifier124.8 U9_U_VoltageAmplifier131.1 U9_U_VoltageAmplifier131.8 U9_U_VoltageAmplifier132.1 U9_U_VoltageAmplifier132.8 U9_U_VoltageAmplifier133.1 U9_U_VoltageAmplifier133.8 U9_U_VoltageAmplifier134.1 U9_U_VoltageAmplifier134.8 U9_U_VoltageAmplifier141.1 U9_U_VoltageAmplifier141.8 U9_U_VoltageAmplifier142.1 U9_U_VoltageAmplifier142.8 U9_U_VoltageAmplifier143.1 U9_U_VoltageAmplifier143.8 U9_U_VoltageAmplifier144.1 U9_U_VoltageAmplifier144.8 U9_U_VoltageAmplifier151.1 U9_U_VoltageAmplifier151.8 U9_U_VoltageAmplifier152.1 U9_U_VoltageAmplifier152.8 U9_U_VoltageAmplifier153.1 U9_U_VoltageAmplifier153.8 U9_U_VoltageAmplifier154.1 U9_U_VoltageAmplifier154.8 U9_U_VoltageAmplifier161.1 U9_U_VoltageAmplifier161.8 U9_U_VoltageAmplifier162.1 U9_U_VoltageAmplifier162.8 U9_U_VoltageAmplifier163.1 U9_U_VoltageAmplifier163.8 U9_U_VoltageAmplifier164.1 U9_U_VoltageAmplifier164.8 U9_U_VoltageAmplifier171.1 U9_U_VoltageAmplifier171.8 U9_U_VoltageAmplifier172.1 U9_U_VoltageAmplifier172.8 U9_U_VoltageAmplifier173.1 U9_U_VoltageAmplifier173.8 U9_U_VoltageAmplifier174.1 U9_U_VoltageAmplifier174.8 U9_U_VoltageAmplifier181.1 U9_U_VoltageAmplifier181.8 U9_U_VoltageAmplifier182.1 U9_U_VoltageAmplifier182.8 U9_U_VoltageAmplifier183.1 U9_U_VoltageAmplifier183.8 U9_U_VoltageAmplifier184.1 U9_U_VoltageAmplifier184.8 U9_U_VoltageAmplifier191.1 U9_U_VoltageAmplifier191.8 U9_U_VoltageAmplifier192.1 U9_U_VoltageAmplifier192.8 U9_U_VoltageAmplifier193.1 U9_U_VoltageAmplifier193.8 U9_U_VoltageAmplifier194.1 U9_U_VoltageAmplifier194.8 U9_U_VoltageAmplifier201.1 U9_U_VoltageAmplifier201.8 U9_U_VoltageAmplifier202.1 U9_U_VoltageAmplifier202.8 U9_U_VoltageAmplifier203.1 U9_U_VoltageAmplifier203.8 U9_U_VoltageAmplifier204.1 U9_U_VoltageAmplifier204.8 U9_U_VoltageAmplifier211.1 U9_U_VoltageAmplifier211.8 U9_U_VoltageAmplifier212.1 U9_U_VoltageAmplifier212.8 U9_U_VoltageAmplifier213.1 U9_U_VoltageAmplifier213.8 U9_U_VoltageAmplifier214.1 U9_U_VoltageAmplifier214.8 U9_U_VoltageAmplifier221.1 U9_U_VoltageAmplifier221.8 U9_U_VoltageAmplifier222.1 U9_U_VoltageAmplifier222.8 U9_U_VoltageAmplifier223.1 U9_U_VoltageAmplifier223.8 U9_U_VoltageAmplifier224.1 U9_U_VoltageAmplifier224.8 U9_U_VoltageAmplifier231.1 U9_U_VoltageAmplifier231.8 U9_U_VoltageAmplifier232.1 U9_U_VoltageAmplifier232.8 U9_U_VoltageAmplifier233.1 U9_U_VoltageAmplifier233.8 U9_U_VoltageAmplifier234.1 U9_U_VoltageAmplifier234.8 U9_U_VoltageAmplifier241.1 U9_U_VoltageAmplifier241.8 U9_U_VoltageAmplifier242.1 U9_U_VoltageAmplifier242.8 U9_U_VoltageAmplifier243.1 U9_U_VoltageAmplifier243.8 U9_U_VoltageAmplifier244.1 U9_U_VoltageAmplifier244.8 U9_U_VoltageAmplifier251.1 U9_U_VoltageAmplifier251.8 U9_U_VoltageAmplifier252.1 U9_U_VoltageAmplifier252.8 U9_U_VoltageAmplifier253.1 U9_U_VoltageAmplifier253.8 U9_U_VoltageAmplifier254.1 U9_U_VoltageAmplifier254.8 U9_U_VoltageAmplifier261.1 U9_U_VoltageAmplifier261.8 U9_U_VoltageAmplifier262.1 U9_U_VoltageAmplifier262.8 U9_U_VoltageAmplifier263.1 U9_U_VoltageAmplifier263.8 U9_U_VoltageAmplifier264.1 U9_U_VoltageAmplifier264.8 U9_U_VoltageAmplifier271.1 U9_U_VoltageAmplifier271.8 U9_U_VoltageAmplifier272.1 U9_U_VoltageAmplifier272.8 U9_U_VoltageAmplifier273.1 U9_U_VoltageAmplifier273.8 U9_U_VoltageAmplifier274.1 U9_U_VoltageAmplifier274.8 U9_U_VoltageAmplifier281.1 U9_U_VoltageAmplifier281.8 U9_U_VoltageAmplifier282.1 U9_U_VoltageAmplifier282.8 U9_U_VoltageAmplifier283.1 U9_U_VoltageAmplifier283.8 U9_U_VoltageAmplifier284.1 U9_U_VoltageAmplifier284.8 U9_U_VoltageAmplifier291.1 U9_U_VoltageAmplifier291.8 U9_U_VoltageAmplifier292.1 U9_U_VoltageAmplifier292.8 U9_U_VoltageAmplifier293.1 U9_U_VoltageAmplifier293.8 U9_U_VoltageAmplifier294.1 U9_U_VoltageAmplifier294.8 U9_U_VoltageAmplifier301.1 U9_U_VoltageAmplifier301.8 U9_U_VoltageAmplifier302.1 U9_U_VoltageAmplifier302.8 U9_U_VoltageAmplifier303.1 U9_U_VoltageAmplifier303.8 U9_U_VoltageAmplifier304.1 U9_U_VoltageAmplifier304.8 U9_U_VoltageAmplifier311.1 U9_U_VoltageAmplifier311.8 U9_U_VoltageAmplifier312.1 U9_U_VoltageAmplifier312.8 U9_U_VoltageAmplifier313.1 U9_U_VoltageAmplifier313.8 U9_U_VoltageAmplifier314.1 U9_U_VoltageAmplifier314.8 U9_U_VoltageAmplifier321.1 U9_U_VoltageAmplifier321.8 U9_U_VoltageAmplifier322.1 U9_U_VoltageAmplifier322.8 U9_U_VoltageAmplifier323.1 U9_U_VoltageAmplifier323.8 U9_U_VoltageAmplifier324.1 U9_U_VoltageAmplifier324.8 U9_U_VoltageAmplifier331.1 U9_U_VoltageAmplifier331.8 U9_U_VoltageAmplifier332.1 U9_U_VoltageAmplifier332.8 U9_U_VoltageAmplifier333.1 U9_U_VoltageAmplifier333.8 U9_U_VoltageAmplifier334.1 U9_U_VoltageAmplifier334.8 U9_U_VoltageAmplifier341.1 U9_U_VoltageAmplifier341.8 U9_U_VoltageAmplifier342.1 U9_U_VoltageAmplifier342.8 U9_U_VoltageAmplifier343.1 U9_U_VoltageAmplifier343.8 U9_U_VoltageAmplifier344.1 U9_U_VoltageAmplifier344.8 U9_U_VoltageAmplifier351.1 U9_U_VoltageAmplifier351.8 U9_U_VoltageAmplifier352.1 U9_U_VoltageAmplifier352.8 U9_U_VoltageAmplifier353.1 U9_U_VoltageAmplifier353.8 U9_U_VoltageAmplifier354.1 U9_U_VoltageAmplifier354.8 U9_U_VoltageAmplifier361.1 U9_U_VoltageAmplifier361.8 U9_U_VoltageAmplifier362.1 U9_U_VoltageAmplifier362.8 U9_U_VoltageAmplifier363.1 U9_U_VoltageAmplifier363.8 U9_U_VoltageAmplifier364.1 U9_U_VoltageAmplifier364.8 U9_U_VoltageAmplifier371.1 U9_U_VoltageAmplifier371.8 U9_U_VoltageAmplifier372.1 U9_U_VoltageAmplifier372.8 U9_U_VoltageAmplifier373.1 U9_U_VoltageAmplifier373.8 U9_U_VoltageAmplifier374.1 U9_U_VoltageAmplifier374.8 U9_U_VoltageAmplifier381.1 U9_U_VoltageAmplifier381.8 U9_U_VoltageAmplifier382.1 U9_U_VoltageAmplifier382.8 U9_U_VoltageAmplifier383.1 U9_U_VoltageAmplifier383.8 U9_U_VoltageAmplifier384.1 U9_U_VoltageAmplifier384.8 U14.6

## Polygon pours and split planes (outlines as drawn)
GND on Layer 1 (split plane): 9180.69,4330.3 9180.69,19.89 20.1,19.89 20.1,4330.3
VCC_OUT on Layer 2 (split plane): 9180.69,4330.3 9180.69,19.89 20.1,19.89 20.1,695.49 741.26,695.49 745.18,695.88 748.95,697.02 752.43,698.88 755.47,701.38 757.97,704.43 759.83,707.9 760.97,711.67 761.36,715.59 760.97,719.51 760.04,722.58 760.04,1305.75 8868.77,1305.75 8872.69,1306.13 8876.46,1307.28 8879.94,1309.13 8882.98,1311.63 8885.48,1314.68 8887.34,1318.15 8888.48,1321.92 8888.87,1325.84 8888.87,3068 8888.48,3071.92 8887.34,3075.69 8885.48,3079.16 8882.98,3082.21 8879.94,3084.71 8876.46,3086.56 8872.69,3087.71 8868.77,3088.09 1251.36,3088.09 1251.36,4330.3
VCC_12V on Layer 2 (split plane): 941.16,2655.69 739.94,2655.69 736.02,2655.3 732.25,2654.16 728.78,2652.3 725.73,2649.8 723.23,2646.76 721.38,2643.28 720.23,2639.51 719.85,2635.59 719.85,2570.68 719.85,735.69 20.1,735.69 20.1,2518.79 20.97,2521.67 21.36,2525.59 21.36,2570.68 20.97,2574.6 20.1,2577.48 20.1,2825.49 941.16,2825.49
VCC_3V3 on Layer 2 (split plane): 1211.16,4330.3 1211.16,3068 1211.55,3064.07 1212.69,3060.3 1214.55,3056.83 1217.05,3053.78 1220.09,3051.29 1223.57,3049.43 1227.34,3048.28 1231.26,3047.9 8848.67,3047.9 8848.67,1345.94 761.36,1345.94 761.36,1474.09 760.97,1478.01 760.04,1481.08 760.04,2570.68 760.04,2615.49 961.26,2615.49 965.18,2615.88 968.95,2617.02 972.43,2618.88 975.47,2621.38 977.97,2624.43 979.83,2627.9 980.97,2631.67 981.36,2635.59 981.36,2845.59 980.97,2849.51 979.83,2853.28 977.97,2856.76 975.47,2859.8 972.43,2862.3 968.95,2864.16 965.18,2865.3 961.26,2865.69 20.1,2865.69 20.1,4330.3
VCC_FPGA_IO2 on Layer 2 (split plane): 4639.7,1656.29 3468.23,1656.29 3468.23,2837.61 4639.7,2837.61
VCC_FPGA_IO4 on Layer 2 (split plane): 8648.61,1656.29 7461.78,1656.29 7461.78,2836.18 8648.61,2836.18
VCC_FPGA_IO1 on Layer 2 (split plane): 2647.84,1659.53 1475.2,1659.53 1475.2,2831.87 2647.84,2831.87
VCC_FPGA_IO3 on Layer 2 (split plane): 6640.61,1660.74 5459.15,1660.74 5459.15,2834.74 6640.61,2834.74

## Other copper
Top Layer:
  rectangle net VCC_3V3: 7387.23,2554.45 7444.29,2652.36
  rectangle net VCC_FPGA_IO4: 7464.29,2554 7504.29,2662.36
  rectangle net VCC_FPGA_IO3: 5462.68,2553.82 5502.68,2666.81
  rectangle net VCC_3V3: 5385.61,2556.81 5442.68,2656.81
  rectangle net VCC_3V3: 3387.23,2552.36 3444.29,2652.36
  rectangle net VCC_FPGA_IO2: 3464.29,2549.37 3504.29,2662.36
  rectangle net VCC_FPGA_IO1: 1471.26,2552.6 1511.26,2665.59
  rectangle net VCC_3V3: 1394.19,2555.59 1451.26,2655.59
  rectangle net VCC_FPGA_IO4: 7583.26,1835.59 7646.46,1865.49
  region net VCC_5V: 1167.66,2497.99 1167.66,2598.89 848.46,2598.89 848.46,2497.99
  region net GND: 221.57,3729.37 221.57,3919.37 51.57,3919.37 51.57,3729.37
  region net VCC_5V: 51.57,3629.37 51.57,3439.37 221.57,3439.37 221.57,3629.37
  rectangle net VCC_12V: 308.4,2416.57 444.1,2469.97
  rectangle net GND: 894.06,948.79 994.38,1091.15
  rectangle net GND: 578.06,2740.59 794.36,2897.59
  rectangle net VCC_12V: 293.06,1423.19 518.96,1609.39
  rectangle net GND: 61.06,1421.69 216.46,1609.39
  rectangle net GND: 536.76,765.99 631.76,811.99
  region net NetD7_2: 605.76,1081.99 504.76,1081.99 504.76,899.99 605.76,899.99
  region net GND: 842.76,952.99 734.76,952.99 734.76,846.99 842.76,846.99
  region net GND: 918.76,915.99 918.76,952.99 736.76,952.99 736.76,915.99
  rectangle net VCC_12V: 171.62,859.99 272.62,1219.99
  region net VCC_12V: 615.01,1366.99 556.76,1366.99 556.76,1142.77 615.01,1142.77
  rectangle net VCC_OUT: 773.76,988.18 871.19,1294.99
  region net GND: 754.76,1264.99 668.76,1264.99 668.76,1108.2 754.76,1108.2
  region net NetD7_2: 602.76,899.48 602.76,1001.99 288.76,1001.99 288.76,899.48
  rectangle net NetD7_2: 287.76,859.99 388.76,1002.01
  region net GND: 693.76,1365.99 631.42,1365.99 631.42,1248.2 693.76,1248.2
  rectangle net GND: 912.36,851.99 994.76,1080.99
  region net VCC_12V: 648.76,1106.99 648.76,1222.99 171.67,1222.99 171.67,1106.99
  region net VCC_OUT: 634.95,1083.42 634.95,985.99 870.76,985.99 870.76,1083.42
  region net VCC_OUT: 1001.76,1106.99 1001.76,1294.84 792.41,1294.84 792.41,1106.99
  rectangle net PWR_CNTRL: 595.36,2413.19 739.56,2656.09
  region net NetD4_1: 705.96,2138.49 705.96,2400.69 588.86,2400.69 588.86,2138.49
  region net VCC_12V: 703.96,1813.39 703.96,2123.39 586.86,2123.39 586.86,1813.39
  rectangle net PWR_LOCAL: 432.46,1695.49 541.56,1917.19
  rectangle net PWR_LOCAL: 433.56,1675.19 695.76,1792.29
  region net PWR_LOCAL: 525.43,2287.57 525.43,2356.16 253.78,2356.16 253.78,2287.57
  rectangle net PWR_LOCAL: 253.48,2115.34 419.48,2356.34
  rectangle net PWR_LOCAL: 298.06,1897.69 542.06,2166.07
  rectangle net GND: 102.96,1900.69 277.06,2086.69
  rectangle net GND: 23.06,1848.99 189.06,2367.69
  text "TOP" at 314.96,4225.59 h59.06
Bottom Layer:
  rectangle net VCC_12V: 556.01,1195.19 616.79,1365.19
  rectangle net VCC_12V: 171.26,1105.59 641.26,1215.59
  region net VCC_5V: 1214,2497.99 1214,2598.39 849.06,2598.39 849.06,2497.99
  region net GND: 779.45,3865.12 779.45,3675.12 919.45,3675.12 919.45,3865.12
  region net GND: 221.57,3689.37 221.57,3919.37 51.57,3919.37 51.57,3689.37
  region net VCC_5V: 51.57,3649.37 51.57,3439.37 221.57,3439.37 221.57,3649.37
  text "BOT" at 318.9,4224.41 h59.06
Layer 2 (plane layer: these items are gaps in the copper):
  lines w40: 1.26,725.59 11.26,715.59 741.26,715.59 739.94,716.91 739.94,2570.68 739.94,2635.59 961.26,2635.59 961.26,2845.59 1.26,2845.59 ; 1.26,2525.59 1.26,2570.68 ; 741.26,1474.09 741.26,1325.84 8868.77,1325.84 8868.77,3068 1231.26,3068 1231.26,4355.59 1125.66,4355.59 ; 1455.1,1639.43 1455.1,2851.96 2667.94,2851.96 2667.94,1639.43 1455.1,1639.43 ; 3448.14,1636.2 4659.8,1636.2 4659.8,2857.71 3448.14,2857.71 3448.14,1636.2 ; 5439.05,1640.65 6660.71,1640.65 6660.71,2854.84 5439.05,2854.84 5439.05,1640.65 ; 7441.69,1636.2 8668.7,1636.2 8668.7,2856.27 7441.69,2856.27 7441.69,1636.2

## Silkscreen, mask and mechanical layers (free items; w line width, h text height)
Top Overlay:
  text "Inhealion" at 374.02,314.96 h59.06
  text "Specs: / 300 Voltage Channels  / VOUT = 12V ~ 36V / Freq = 1Hz ~ 1Mhz" at 283.46,94.49 h59.06
Board:
  lines w25: 8976.38,3.94 9200.79,3.94 ; 9200.79,3.94 0,3.94 0,4346.46 3.94,4350.39 9200.79,4350.39 9200.79,4216.54 9200.79,3.94

## Text inside footprints (layer, text, board x,y; h text height)
P3: Top Overlay "2" at 838.86,1490.09 h40 r90; Top Overlay "1" at 938.86,1510.09 h40 r90; Top Overlay "9" at 938.86,2050.09 h40 r90; Top Overlay "10" at 838.86,2050.09 h40 r90
P_E_1: Top Overlay "1" at 1232.41,4133.65 h50; Top Overlay "2" at 1232.41,4212.81 h50; Top Overlay "40" at 2871.9,4208.79 h50; Top Overlay "39" at 2871.9,4131.58 h50
P_E_2: Top Overlay "1" at 3232.41,4133.65 h50; Top Overlay "2" at 3232.41,4212.81 h50; Top Overlay "40" at 4871.9,4208.79 h50; Top Overlay "39" at 4871.9,4131.58 h50
P_E_3: Top Overlay "39" at 6871.9,4131.58 h50; Top Overlay "40" at 6871.9,4208.79 h50; Top Overlay "2" at 5232.41,4212.81 h50; Top Overlay "1" at 5232.41,4133.65 h50
P_E_4: Top Overlay "1" at 7232.41,4133.65 h50; Top Overlay "2" at 7232.41,4212.81 h50; Top Overlay "40" at 8871.9,4208.79 h50; Top Overlay "39" at 8871.9,4131.58 h50
P_O_1: Top Overlay "39" at 2871.9,110.32 h50; Top Overlay "40" at 2871.9,187.53 h50; Top Overlay "2" at 1232.41,191.55 h50; Top Overlay "1" at 1232.41,112.39 h50
P_O_2: Top Overlay "39" at 4871.9,110.32 h50; Top Overlay "40" at 4871.9,187.53 h50; Top Overlay "2" at 3232.41,191.55 h50; Top Overlay "1" at 3232.41,112.39 h50
P_O_3: Top Overlay "1" at 5232.41,112.39 h50; Top Overlay "2" at 5232.41,191.55 h50; Top Overlay "40" at 6871.9,187.53 h50; Top Overlay "39" at 6871.9,110.32 h50
P_O_4: Top Overlay "39" at 8871.9,110.32 h50; Top Overlay "40" at 8871.9,187.53 h50; Top Overlay "2" at 7232.41,191.55 h50; Top Overlay "1" at 7232.41,112.39 h50